# Altium PCB SPEC-A7.PcbDoc (part 6 of 10) (continued)
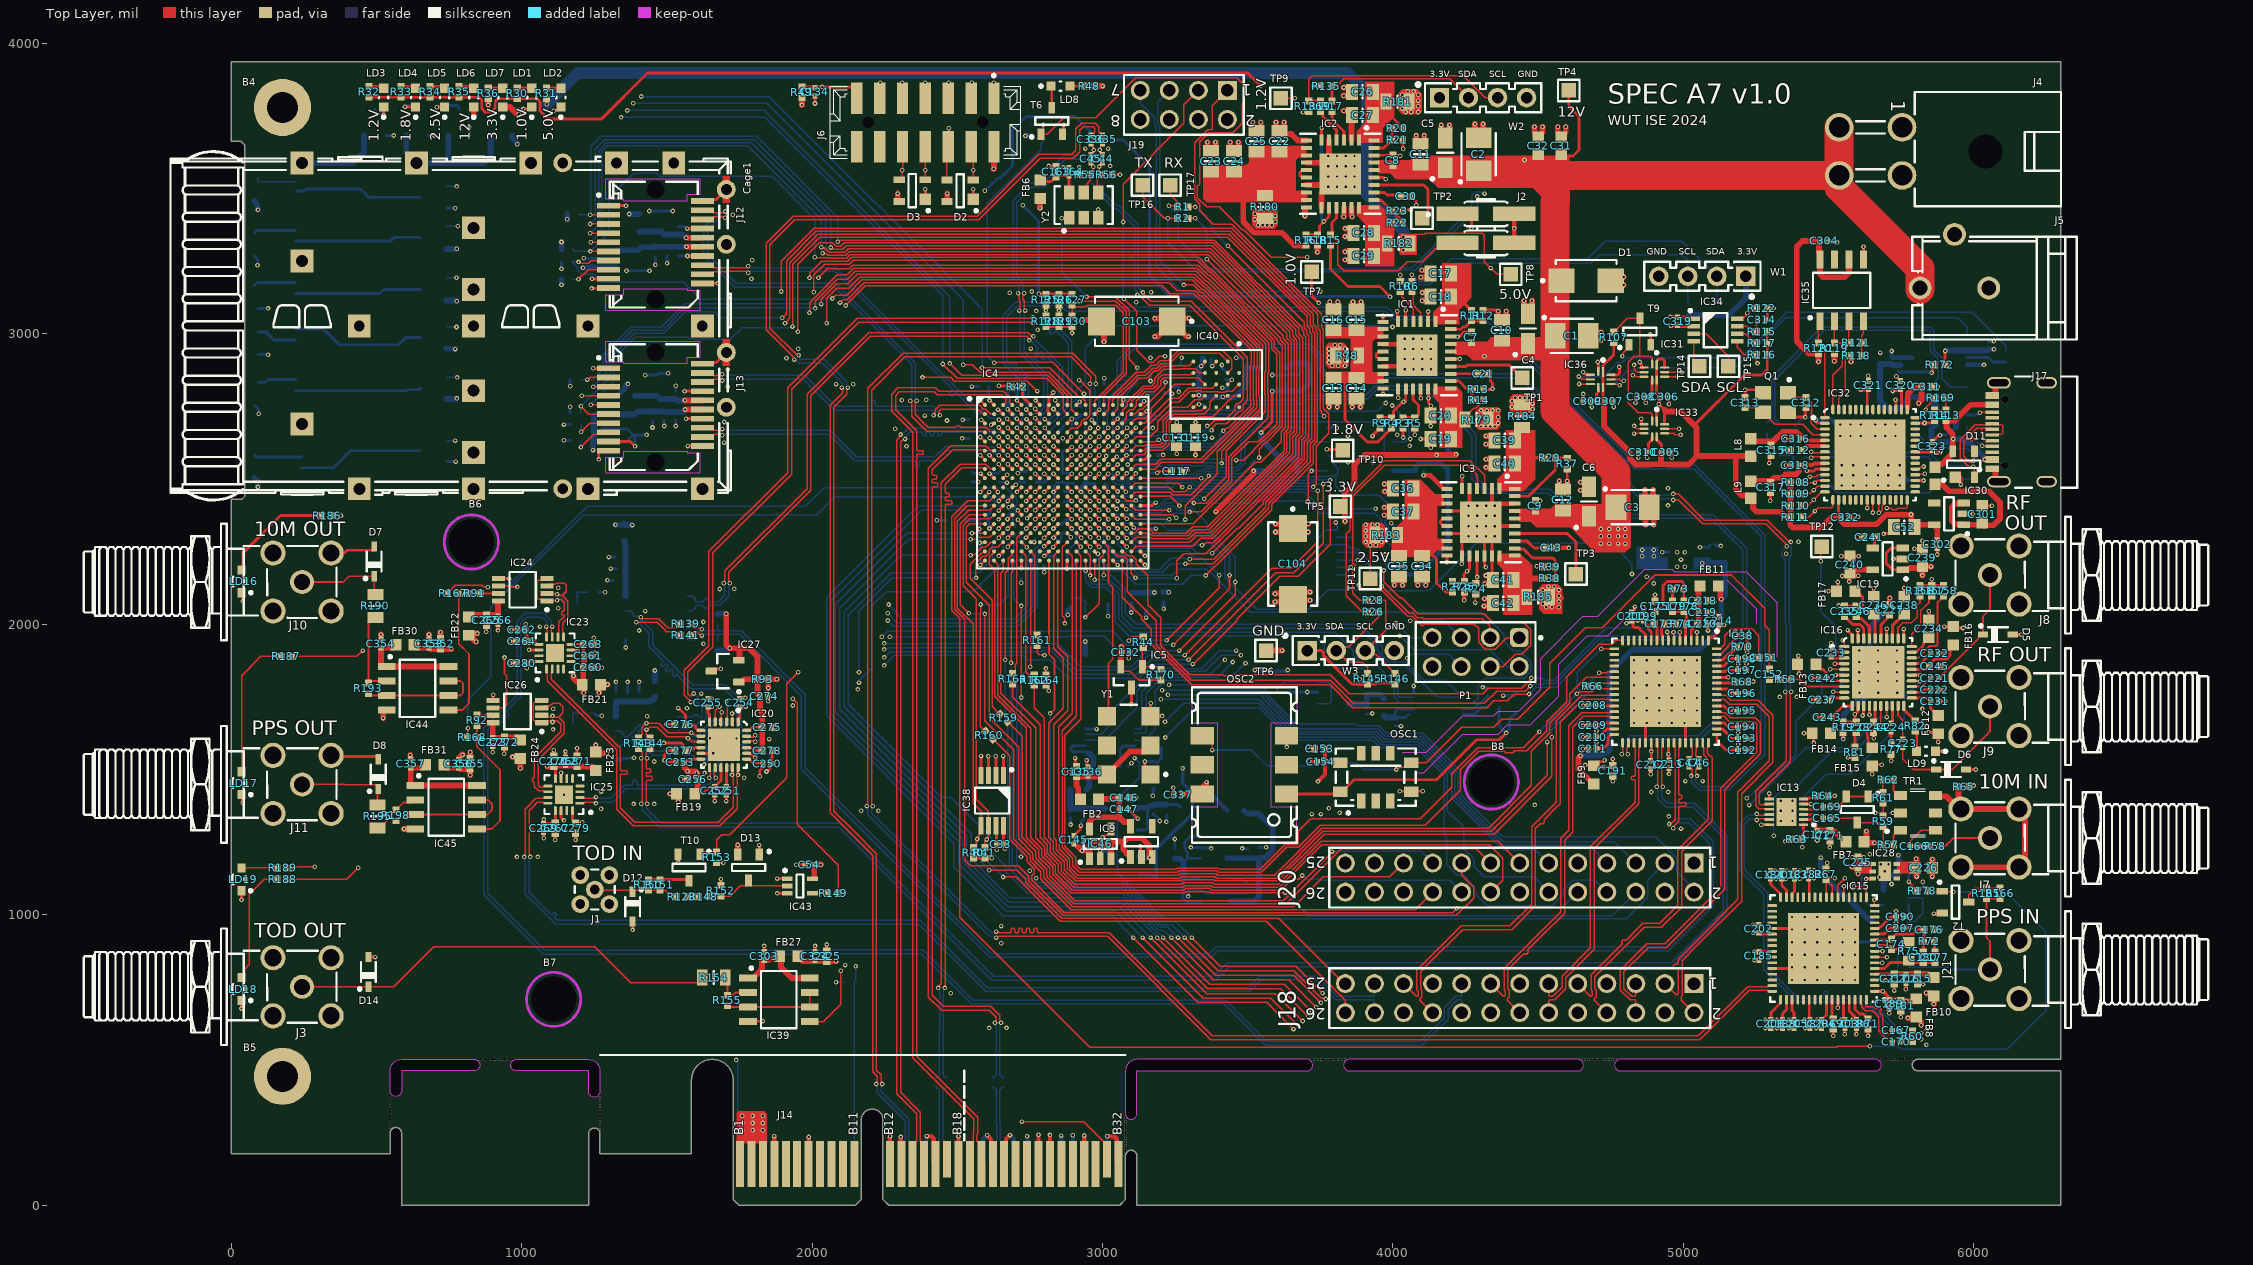
[diagram p0: Top Layer view]
## Nets (pads, with @x,y where several pads share a name; then routed paths per layer and width w, separated by ;. In a path a pad name is that pad's centre, name@x,y a point inside that pad or via, vN(x,y) a via of type N, cw(c..) or ccw(c..) an arc to the next point about the centre after c; other vN are vias at no path point) (continued)
  Bottom Layer w15: C56.2@2672.8,2812.98 2672.8,2740.18 v1(2705.28,2707.7)
  other v1: 2673.04,2740.03 3535.43,3374.02 3551.18,3374.02 3566.93,3374.02 3582.68,3374.02 3594.49,3385.83 3523.62,3393.7 3594.49,3405.51 3523.62,3413.39 3535.43,3429.13 3555.12,3429.13 3574.8,3429.13 3594.49,3429.13
MGTAVTT: C62.2 C63.2 C64.2 C65.2 C66.2 C67.2 IC4.A2 IC4.C1 IC4.E1 IC4.F3 IC4.G2 R42.2 R181.2 T3.1 TP9.1 | length 2489.3
  Top Layer w5: TP9.1@3614.17,3811.02 v1(3661.42,3811.02)
  Top Layer w10: v1(2579.29,2644.71) IC4.E1@2595.04,2628.96 ; v1(2582.37,2704.63) IC4.C1@2595.04,2691.95 ; v1(2610.79,2581.72) IC4.G2@2626.54,2565.97 ; v1(2610.79,2770.69) IC4.A2@2626.54,2754.95 ; v1(2642.79,2614.59) 2642.79,2613.65 2658.03,2598.41 IC4.F3@2658.03,2597.47 ; v1(2643,2821.27) 2644.1,2820.17 2680.86,2820.17 2682.21,2821.52 2682.21,2822 R42.2@2687.28,2816.94
  L4 w10: v1(559.72,3682.7) 577.6,3664.83 736.34,3664.83 744.49,3672.98 1909.7,3672.98 2474.7,3107.98 2525,3107.98
  Bottom Layer w10: T3.1@532.4,3682.7 v1(559.72,3682.7) ; C67.2@2607.72,2817.98 2608.36,2817.34 2608.36,2773.13 v1(2610.79,2770.69)
  other v1: 4043.31,3763.78 4062.99,3763.78 4086.61,3763.78 4031.5,3775.59 4086.61,3783.46 4031.5,3791.34 4086.61,3803.15 4031.5,3807.09 4031.5,3822.83 4086.61,3822.83 4051.18,3834.65 4070.87,3834.65
MGTREFCLK0_N: C45.2 C336.2 IC4.D5 | length 1295.8
  Top Layer w5: v1(2705.28,2676.21) IC4.D5@2721.02,2660.46 ; v1(2713.13,3080) 2713.13,3082.91 2717,3086.78 2717,3109.18 2713.13,3113.05 v1@2713.13,3133.22 ; C336.2@2960.63,3655.51 2966.99,3649.15 2966.99,3638.52 2969.63,3635.89 v1(2969.63,3632.98)
  Bottom Layer w5: v1(2705.28,2676.21) 2721.71,2692.64 2721.71,2713.33 2731.36,2722.98 2758.92,2722.98 2761.46,2725.52 2778.26,2725.52 2797.4,2744.65 2797.4,2852.6 2760,2890 2717,2933 2717,3070 2715.18,3071.82 ; v1@2713.13,3146.78 2713.13,3171.47 2692,3192.59 2692,3458.36 2699.62,3465.98 2743.79,3510.15 2751.4,3517.77 2794.79,3517.77 2832.35,3555.33 2832.35,3580.45 2866.57,3614.67 2970.57,3614.67 2970.57,3632.03 v1(2969.63,3632.98)
  other v1: 2709.25,3140
MGTREFCLK0_P: C44.2 C335.2 IC4.D6 | length 1288.6
  Top Layer w5: v1@2726.13,3133.22 2726.13,3118.44 2730,3114.56 2730,3086.78 2733.87,3082.91 v1(2733.87,3080) ; v1(2736.77,2676.21) IC4.D6@2752.52,2660.46 ; v1(2990.37,3632.98) 2990.37,3635.89 2993.64,3639.15 2993.64,3649.15 C335.2@3000,3655.51
  Bottom Layer w5: v1@2726.13,3146.78 2726.13,3176.85 2705,3197.98 2705,3452.98 2756.79,3504.77 2800.17,3504.77 2845.35,3549.94 2845.35,3575.07 2871.95,3601.67 2975.96,3601.67 2990.37,3616.09 v1(2990.37,3632.98) ; 2731.82,3071.82 2730,3070 2730,2938.38 2747.58,2920.81 ; v1(2736.77,2676.21) 2753.21,2692.64 2775.08,2692.64 2784.7,2702.27 2784.7,2713.36 2791.26,2719.92 2791.26,2720.13 2810.4,2739.27 2810.4,2857.99 2783.01,2885.37 ; 2749.35,2919.04 2758.89,2909.49 2763.04,2909.49 2767.05,2913.5 2770.69,2913.5 2776.15,2908.04 2776.15,2904.4 2772.14,2900.39 2772.14,2896.24 2781.24,2887.14
  other v1: 2730,3140
MGTREFCLK1_N: C47.2 IC4.B5 | length 4488.1
  Top Layer w5: v1(2705.91,2740.61) 2705.91,2739.59 2721.02,2724.48 IC4.B5@2721.02,2723.45 ; C47.2@5019.1,1509.27 5019.1,1508.28 5025.46,1501.92 5027.17,1501.92 5030.1,1498.99 v1@5030.1,1484.76
  Bottom Layer w5: v1(2705.91,2740.61) 2706.69,2740.61 2731.93,2765.85 2731.93,2824.8 2657,2899.73 2657,3064 2664.62,3071.62 2684.75,3091.75 2701.85,3108.85 2861.75,3108.85 2879.94,3090.67 3980.57,3090.67 4009.65,3061.59 4324.78,3061.59 4764.69,2621.67 4838.38,2547.98 5041.27,2547.98 5280.72,2308.53 5280.72,1552.33 5156.33,1427.94 5055.41,1427.94 5051.6,1431.75 5043.86,1439.5 5037.72,1445.63 5030.1,1453.25 5030.1,1471.2 5026.23,1475.07 v1(5026.23,1477.98)
MGTREFCLK1_P: C46.2 IC4.B6 | length 4484.3
  Top Layer w5: v1(2736.77,2739.41) 2736.77,2739.31 2752.52,2723.56 IC4.B6@2752.52,2723.45 ; v1@5043.1,1484.76 5043.1,1498.99 5046.03,1501.92 5047.74,1501.92 5054.1,1508.28 C46.2@5054.1,1509.27
  Bottom Layer w5: v1(2736.77,2739.41) 2736.77,2739.56 2744.93,2747.72 2744.93,2830.18 2743.79,2831.32 2742.02,2833.09 2732.92,2842.19 2732.92,2846.33 2741.81,2855.22 2741.81,2858.86 2736.34,2864.32 2732.7,2864.32 2723.57,2855.18 2719.93,2855.18 2714.46,2860.65 2714.46,2864.29 2723.6,2873.42 2723.6,2877.07 2718.14,2882.53 2714.5,2882.53 2705.36,2873.39 2701.72,2873.39 2696.26,2878.85 2696.26,2882.49 2705.39,2891.63 2705.39,2895.27 2699.93,2900.73 2696.29,2900.73 2687.4,2891.85 2683.26,2891.85 2680.84,2894.27 2679.07,2896.04 2670,2905.11 2670,3058.62 2697.75,3086.37 2706.76,3095.37 2715.37,3095.37 2715.85,3095.85 2856.37,3095.85 2874.55,3077.67 2955.38,3077.67 3975.18,3077.67 4004.26,3048.59 4319.39,3048.59 4730,2637.98 4751.69,2616.29 4833,2534.98 5035.89,2534.98 5267.72,2303.15 5267.72,1557.72 5150.94,1440.94 5060.79,1440.94 5043.1,1458.63 5043.1,1471.2 5046.98,1475.07 v1(5046.98,1477.98)
NetC13_2: C13.2 C14.2 C15.2 C16.2 IC1.8 IC1.9 IC1.14 IC1.15 R4.2 R78.1 | length 345.4
  Top Layer w10: 3834.65,2838.58 3834.65,2704.72 3911.57,2627.8 3947.53,2627.8 3994.21,2674.47 R4.2@3995,2674.47
NetC19_2: C19.2 C20.2 IC1.22 IC1.23 R14.2 R179.1 | length 92.3
  Top Layer w5: R179.1@4248.03,2704.72 4248.03,2713.58 4278.48,2744.03 4285.34,2744.03 4308.5,2767.19 R14.2@4308.5,2767.98
NetC21_2: C21.2 IC1.25 | length 93.6
  Top Layer w10: IC1.25@4198.95,2862.35 4199.27,2862.66 4291.97,2862.66 C21.2@4292.28,2862.98
NetC22_2: C22.2 C23.2 C24.2 C25.2 IC2.8 IC2.9 IC2.14 IC2.15 R16.2 R180.1 | length 328.3
  Top Layer w20: 3484.25,3464.57 3484.25,3385.71 3521.76,3348.2 3617.49,3348.2 3661.22,3304.47 R16.2@3700,3304.47
NetC26_2: C26.2 C27.2 IC2.1 IC2.32 R20.2 R181.1 | length 63.4
  Top Layer w10: 3996.06,3755.91 3996.06,3746.21 4027.56,3714.71 4027.56,3713.92 R20.2@4033.5,3707.98
NetC28_2: C28.2 C29.2 IC2.22 IC2.23 R22.2 R182.1
NetC30_2: C30.2 IC2.25 | length 98
  Top Layer w10: IC2.25@3935,3486.8 3971.18,3486.8 3980,3477.98 4022.28,3477.98 C30.2@4027.28,3472.98
NetC34_2: C34.2 C35.2 C36.2 C37.2 IC3.8 IC3.9 IC3.14 IC3.15 R27.2 R183.1 | length 175.8
  Top Layer w10: 4133.86,2240.16 4149.61,2224.41 4149.61,2141.73 4180.45,2110.89 4198.58,2110.89 R27.2@4205,2104.47
NetC38_2: C38.2 IC14.63 | length 105.4
  Top Layer w6: IC14.63@5114.53,1895.97 5126.34,1895.97 5154.25,1923.88 5154.25,1927.6 5181.43,1954.77 5185.09,1954.77 C38.2@5190.94,1960.63
NetC39_2: C39.2 C40.2 IC3.1 IC3.32 R29.2 R184.1 | length 46.5
  Top Layer w12: 4475,2572.98 R29.2@4521.5,2572.98
NetC41_2: C41.2 C42.2 IC3.22 IC3.23 R38.2 R185.1 | length 50
  Top Layer w20: 4472.44,2157.48 4476.38,2157.48 4476.88,2157.98 R38.2@4521.5,2157.98 R38.2@4521,2157.48
NetC43_2: C43.2 IC3.25 | length 104.6
  Top Layer w10: IC3.25@4418.95,2287.35 4460.63,2287.35 4485,2262.98 4513.5,2262.98
NetC134_2: C134.2 J6.13 R49.1 T9.1 | length 4019.1
  Top Layer w5: v1@2034.74,3850.06 v1(2035,3849.8) ; v1(4790,2922.98) 4792.06,2925.03 4792.06,2934.29 4812.6,2954.83 T9.1@4812.6,2962.7
  Top Layer w10: R49.1@1965,3849.99 v1@2034.74,3849.99 ; v1@2035,3849.99 2139.09,3849.99 2153.78,3835.3 J6.13@2153.78,3811.64
  L4 w5: v1(2035,3849.8) 2035,3727.98 2215.37,3547.6 2316.37,3547.6 2316.74,3547.98 2320,3547.98 2435,3662.98 2614.14,3662.98 2839.14,3887.98 3526.93,3887.98 3528.65,3889.7 3557.96,3889.7 3559.69,3887.98 4265,3887.98 4307.5,3845.48 4307.5,3795.48 4380,3722.98 4380,3442.98 4790,3032.98 v1(4790,2922.98)
NetC135_2: C135.2 C136.2 FB2.2 Y1.2 Y1.6 | length 383.1
  Top Layer w20: FB2.2@2925.47,1397.98 2916.61,1406.84 2916.61,1436.37 2910,1442.98 C135.2@2910,1475.26 2950,1475.26 3007.48,1475.26 Y1.6@3015.2,1482.98 3094.46,1562.24 3144.07,1562.24 Y1.2@3164.8,1582.98
NetC137_2: C137.2 FB3.2 IC7.1 IC7.2 | length 253
  Bottom Layer w10: IC7.1@2940.24,1562.03 2939.33,1561.13 2911.95,1561.13 2911.77,1560.95 2897.73,1560.95 2891.87,1566.8 2891.87,1575.09 2898.5,1581.72 IC7.2@2940.24,1581.72
  Bottom Layer w20: FB3.2@2944.41,1431.4 2953.27,1440.27 2953.27,1443.18 2953.66,1443.57 C137.2@2953.66,1486.4 2967.76,1500.5 2967.76,1540.97 2952.49,1556.24 IC7.1@2950.99,1556.24
NetC138_2: C138.2 IC7.9 | length 113.1
  Bottom Layer w10: C138.2@3061.1,1511.4 3061.1,1572.17 3069.74,1580.81 3108.62,1580.81 IC7.9@3109.53,1581.72
NetC139_2: C139.2 R51.2 Y1.1 | length 163.9
  Top Layer w10: v1(3145.67,1527.56) 3145.67,1502.11 Y1.1@3164.8,1482.98 Y1.1@3169.8,1477.98
  Bottom Layer w10: v1(3145.67,1527.56) 3179.16,1527.56 C139.2@3184.88,1521.84 3185.75,1521.84 3203.39,1539.47 R51.2@3203.39,1576.4
NetC140_2: C140.2 C141.2 FB25.1 IC8.1 IC8.3 | length 273.5
  Bottom Layer w10: IC8.3@3117.9,1291.37 3149.61,1291.37 3155.36,1297.13 3155.36,1368.02 ; C140.2@3220.47,1379.7 C140.2@3219.88,1379.12 3258.68,1379.12 FB25.1@3267.72,1370.08
  Bottom Layer w20: IC8.1@3114.88,1366.21 3116.69,1368.02 3155.36,1368.02 3162.53,1375.18 C141.2@3174.88,1375.18 3178.82,1379.12 C140.2@3219.88,1379.12
NetC144_2: C144.2 C145.2 FB26.1 IC9.1 IC9.3 IC46.1 IC46.3 | length 561.8
  Top Layer w20: C145.2@2901.57,1244.09 2905.51,1244.09 v3(2929.13,1220.47) 2950.84,1220.47 2954.72,1216.58 2954.72,1240.25 2966.44,1251.97 2982.4,1251.97 2990.53,1243.84 3009.47,1243.84 3017.6,1251.97 3027.56,1251.97 ; IC46.3@3029.53,1192.91 3029.53,1250 3027.56,1251.97 ; IC9.1@3096.46,1198.82 3096.46,1206.17 3094.65,1207.98 3084.65,1207.98 3084.65,1211.61 3071.61,1224.65 3071.61,1249.63 ; v1(3161.41,1196.85) 3161.41,1237.08 3135.46,1263.03 3085.01,1263.03 3071.61,1249.63 ; 3027.56,1251.97 3069.27,1251.97 3071.61,1249.63
  Bottom Layer w20: v3(2929.13,1220.47) 2932.83,1224.17 2932.83,1249.76 C144.2@2935.04,1251.97 ; FB26.1@3125.98,1200.79 3129.92,1196.85 v1(3161.41,1196.85)
NetC148_2: C148.2 FB4.2 IC10.1 IC10.2 | length 181
  Bottom Layer w10: IC10.1@4053.15,1688.98 4043.31,1679.13 C148.2@4007.87,1679.13 4007.87,1700.79 4015.75,1708.66 IC10.2@4072.83,1708.66
  Bottom Layer w20: FB4.2@3968.5,1685.04 3974.41,1679.13 C148.2@4007.87,1679.13
NetC149_2: C149.2 IC10.9 | length 104.1
  Bottom Layer w10: IC10.9@4242.13,1708.66 4243.03,1709.57 4277.41,1709.57 4295.72,1727.87 4301.64,1727.87 4326.85,1753.09 C149.2@4326.85,1754.07
NetC150_2: C150.2 OSC1.10 OSC2.1 R52.2 | length 1025.6
  Top Layer w10: OSC2.1@3633.27,1415.75 3810.63,1415.75 OSC1.10@3818.5,1423.62 3825.2,1423.62 3866.14,1464.57 4149.61,1464.57 4287.4,1602.36 4366.14,1602.36 v1(4389.76,1625.98)
  Bottom Layer w10: R52.2@4365.35,1712.85 4365.35,1650.39 v1(4389.76,1625.98) 4389.76,1627.54 4401.65,1639.43 4401.65,1675.28 4419.29,1692.91 C150.2@4425.2,1692.91
NetC151_1: C151.1 C152.1 OSC1.5 OSC2.4 | length 2595.1
  Top Layer w6: OSC2.4@3343.11,1615.75 3351.03,1615.75 3377.95,1588.83 v3(3377.95,1566.93) ; v3(4011.81,1500) 4014.45,1500 4022.57,1508.12 4047.49,1508.12 OSC1.5@4062.99,1523.62 4114.17,1523.62 4236.22,1645.67 4346.46,1645.67 4374.02,1673.23 4429.13,1673.23 4539.37,1783.46 4539.37,1866.14 4661.42,1988.19 4720.47,1988.19 4901.57,2169.29 5165.35,2169.29 5279.53,2055.12 5279.53,1996.06 5295.07,1980.53 C151.1@5295.07,1884.99 5295.58,1884.47 C152.1@5295.58,1845.99
  Bottom Layer w6: v3(3377.95,1566.93) 3511.81,1566.93 3566.15,1512.59 3718.24,1512.59 3729.27,1523.62 3874.02,1523.62 3897.64,1500 v3(4011.81,1500)
NetC152_2: C152.2 R53.1 | length 38.6
  Top Layer w6: C152.2@5295.58,1810.56 5295.8,1810.34 R53.1@5334.07,1810.34
NetC153_2: C153.2 C154.2 C337.2 FB5.2 OSC1.9 OSC2.6 | length 855
  Top Layer w15: C337.2@3273.62,1413.39 3274.98,1414.74 3316.32,1414.74 v3(3358.27,1456.69) 3358.27,1430.91 OSC2.6@3343.11,1415.75 ; v3(3741.9,1458.89) 3766.1,1483.08 3766.1,1527.56 3765.75,1527.91 C153.2@3765.75,1570.87 ; C154.2@3765.75,1527.56 3767.11,1526.2 3815.92,1526.2 OSC1.9@3818.5,1523.62
  L3 w15: v3(3358.27,1456.69) 3529.41,1456.69 3549.09,1437.01 3720.02,1437.01 v3(3741.9,1458.89)
  Bottom Layer w15: v3(3358.27,1456.69) 3358.41,1456.55 3358.41,1429.97 3429.13,1359.25 FB5.2@3429.13,1358.27
NetC155_2: C155.2 C156.2 FB28.1 IC11.1 IC11.3 | length 314.3
  Bottom Layer w6: FB28.1@3598.43,1775.59 3599.41,1775.59 3615.11,1791.29 3615.11,1792.28 3627.95,1805.12 C155.2@3645.67,1805.12 3738.19,1805.12 IC11.3@3742.13,1801.18 3777.56,1801.18 3787.4,1791.34 3787.4,1732.28 3781.5,1726.38 IC11.1@3742.13,1726.38
NetC159_2: C159.2 C160.2 FB29.1 IC12.1 IC12.3 IC47.1 IC47.3 | length 501.4
  Bottom Layer w10: FB29.1@3248.03,1122.05 3279,1122.05 ; 3279.19,1180.77 3292.8,1194.37 ; C160.2@3291.34,1122.05 3279,1122.05 ; C160.2@3295.28,1122.05 IC47.3@3317.99,1122.05 ; IC47.3@3317.99,1126.89 3331.77,1126.89 IC47.3@3338.58,1120.08 ; IC12.1@3335.85,1194.37 3292.8,1194.37 ; IC12.3@3335.85,1269.17 3300.67,1269.17 3283.46,1251.97 3283.46,1224.41 3292.8,1215.08 3292.8,1194.37 ; IC47.1@3338.58,1045.28 3302.84,1045.28 3302.68,1045.12 3287.87,1045.12 3276.42,1056.57 3276.42,1119.46 3279,1122.05
  Bottom Layer w20: C159.2@3248.4,1194.52 3250.24,1192.68 3267.29,1192.68 3279,1180.96 3279,1122.05
NetC163_2: C163.2 C164.2 FB6.2 Y2.6 | length 166
  Top Layer w10: FB6.2@2785,3524.59 2824.33,3524.59 C163.2@2840,3540.26 2843.94,3544.2 C164.2@2885,3544.2 Y2.6@2885,3486.28
NetC165_1: C165.1 D4.3 R57.2 R59.2 | length 259.1
  Top Layer w6: C165.1@5508.78,1332.14 5588.63,1332.14 D4.3@5598.43,1316.93 ; D4.3@5598.48,1316.88 5609.55,1316.88 5673.53,1316.88 5678.35,1312.05 R59.2@5687.56,1303.64 5687.56,1241.5 R57.2@5686.22,1240.16 ; R57.2@5688.19,1242.13 R57.2@5690.16,1240.16
NetC165_2: C165.2 IC13.3 | length 73.4
  Top Layer w6: IC13.3@5413.39,1345.47 5414,1344.86 5467.52,1344.86 5480.24,1332.14 C165.2@5481.22,1332.14
NetC166_1: C166.1 R58.2 | length 38.6
  Top Layer w6: C166.1@5809.06,1236.22 R58.2@5847.64,1236.22
NetC166_2: C166.2 TR1.6 | length 118.5
  Top Layer w6: C166.2@5781.5,1236.22 5781.5,1253.94 5818.11,1290.55 TR1.6@5867.13,1290.55
NetC168_1: C168.1 TR1.2 | length 38.4
  Top Layer w6: v1(5720.47,1350.39) TR1.2@5747.05,1350.39
  Bottom Layer w6: C168.1@5708.66,1350.39 v1(5720.47,1350.39)
NetC169_1: C169.1 D4.1 D4.2 R61.1 R62.2 | length 226.7
  Top Layer w6: C169.1@5509.76,1372.14 C169.1@5508.78,1372.14 5533.56,1372.14 5561.02,1399.61 D4.2@5561.02,1407.48 ; 5575.16,1407.42 D4.1@5635.83,1407.42 ; D4.1@5635.83,1407.48 5659.61,1407.48 5662.6,1410.47 5664.36,1412.23 5667.24,1412.23 5678.35,1412.23 R61.1@5687.56,1420.64 5686.22,1421.98 R62.2@5686.22,1456.69
NetC169_2: C169.2 IC13.4 | length 72.1
  Top Layer w6: IC13.4@5413.39,1363.19 5414,1362.57 5470.67,1362.57 5480.24,1372.14 C169.2@5481.22,1372.14
NetC171_2: C171.2 C172.2 FB7.2 IC13.2 | length 189.1
  Top Layer w10: IC13.2@5413.39,1327.76 5439.96,1327.76 5456.77,1310.94 5456.77,1293.23 C172.2@5460.63,1289.37
  Top Layer w20: C172.2@5461.23,1289.97 C171.2@5503.34,1289.97 ; C171.2@5503.94,1287.17 5518.98,1287.17 5547.28,1258.86 5550.19,1258.86 5559.06,1250 FB7.2@5559.06,1247.09
NetC173_1: C173.1 C175.2 C178.1 IC14.10 R73.2 | length 353.2
  Top Layer w10: IC14.10@4908.82,1944.2 4908.82,1992.23 C173.1@4899.21,2001.84 4900.57,2003.19 4900.57,2042.76 C175.2@4901.93,2044.12 4909.13,2051.32 4918.35,2051.32 4930,2062.98 4930,2132.98 4945,2147.98 4994.58,2147.98 5000.43,2142.12 R73.2@5000.43,2121.84 5001.18,2121.09 5001.18,2080.3 C178.1@5001.93,2079.55
NetC173_2: C173.2 IC14.9 R74.2 | length 101.9
  Top Layer w10: IC14.9@4928.5,1944.2 4928.43,1944.28 4928.43,1961.62 4925,1965.04 4925,1992.19 C173.2@4934.65,2001.84 R74.2@4973.43,2001.84
NetC174_1: C174.1 C176.2 C180.2 IC15.10 R72.2 | length 262.4
  Top Layer w10: IC15.10@5658.46,913.39 5658.54,913.46 5712.56,913.46 C174.1@5715.63,916.54 5732.91,933.82 5792.46,933.82 5807.46,948.82 C176.2@5827.91,948.82 5827.52,948.43 5827.52,909.21 R72.2@5827.13,908.82 5826.38,908.07 5826.38,872.28 C180.2@5825.63,871.54
NetC174_2: C174.2 IC15.9 R75.2 | length 132.4
  Top Layer w10: IC15.9@5658.46,893.7 5703.03,893.7 C174.2@5715.63,881.1 5749.45,881.1 5773.66,905.32 R75.2@5775.63,905.32
NetC177_1: C177.1 C180.1 IC15.5 R75.1 | length 215.9
  Top Layer w10: IC15.5@5658.46,814.96 5691.77,814.96 5712.91,836.1 C180.1@5825.63,836.1 C177.1@5865.63,836.1
NetC177_2: C177.2 R72.1 | length 37.9
  Top Layer w10: R72.1@5864.13,908.82 5864.88,908.07 5864.88,872.28 C177.2@5865.63,871.54
NetC178_2: C178.2 C179.1 IC14.5 R74.1 | length 144.8
  Top Layer w10: C179.1@4961.93,2044.12 C178.2@5001.93,2044.12 5010.43,2035.62 R74.1@5010.43,2001.84 5007.32,1998.73 5007.32,1944.28 IC14.5@5007.24,1944.2
NetC179_2: C179.2 R73.1 | length 42.9
  Top Layer w10: C179.2@4961.93,2079.55 4962.68,2080.3 4962.68,2121.09 R73.1@4963.43,2121.84
NetC181_2: C181.2 C182.2 C183.2 C184.2 C185.2 C186.2 C187.2 C188.2 C189.2 C190.2 C201.2 C202.2 C203.2 C204.2 C205.2 C206.2 C207.2 FB8.2 IC15.1 IC15.11 IC15.12 IC15.27 IC15.30 IC15.31 IC15.32 IC15.38 IC15.41 IC15.49 IC15.50 IC15.51 IC15.54 IC15.57 IC15.60 IC15.61 | length 1526.7
  Top Layer w10: v1(5240.39,938.36) C202.2@5259.17,938.36 ; v1(5243.11,872.86) 5243.52,872.45 5259.44,872.45 C185.2@5259.84,872.05 ; v1@5244.41,873.82 5244.53,873.94 5306.02,873.94 IC15.41@5306.1,874.02 ; v1@5244.41,938.82 5263.85,938.82 5269.6,933.07 IC15.38@5306.1,933.07 ; v1(5281.85,637.6) C206.2@5300.63,637.6 5301.06,638.03 5301.06,662.44 5334.65,696.02 IC15.49@5334.65,707.68 ; v1(5319.71,1124.23) 5319.6,1124.12 5299.32,1124.12 5300.12,1123.33 5300.12,1106.22 5334.65,1071.69 IC15.32@5334.65,1060.04 ; v1(5321.85,637.6) C188.2@5340.63,637.6 5340.63,658.82 5354.33,672.52 IC15.50@5354.33,707.68 ; C201.2@5338.58,1124.02 5338.58,1100.87 5354.33,1085.12 IC15.31@5354.33,1060.04 ; C201.2@5342.44,1124.12 5352.25,1124.12 v1(5352.36,1124.23) ; v1(5361.85,637.6) C205.2@5380.63,637.6 5380.63,663.82 5374.02,670.43 IC15.51@5374.02,707.68 ; IC15.30@5374.02,1060.04 5374.02,1071.69 5378.78,1076.46 5378.78,1078.03 5381.89,1081.14 C183.2@5381.89,1124.02 ; C183.2@5385.75,1124.12 5400.56,1124.12 v1(5400.67,1124.23) ; v1(5416.85,637.6) C187.2@5435.63,637.6 5433.15,640.08 5433.15,707.6 IC15.54@5433.07,707.68 ; IC15.27@5433.07,1060.04 5432.99,1060.12 5432.99,1122.68 C182.2@5430.63,1125.04 v1(5449.41,1125.04) ; v1(5459.41,637.6) C204.2@5475.63,637.6 5475.63,638.58 5492.13,655.08 IC15.57@5492.13,707.68 ; v1@5541.61,637.6 v1(5541.77,637.6) C203.2@5555.63,637.6 ; C203.2@5551.18,643.03 IC15.60@5551.18,707.68 ; IC15.61@5570.87,707.68 5570.87,668.08 5591.77,647.17 5591.77,641.46 C186.2@5595.63,637.6 v1(5579.41,637.6) ; IC15.11@5658.46,933.07 5689.88,933.07 5710.63,953.82 C207.2@5731.85,953.82 v1(5731.85,972.6) ; IC15.12@5658.46,952.76 5670.12,952.76 5674.88,957.52 5679.33,957.52 5713.78,991.97 5730,991.97 C190.2@5731.85,993.82 v1(5731.85,1012.6)
  Top Layer w12: IC15.1@5658.46,736.22 5658.67,736.43 5686.11,736.43 v1(5686.32,736.64) ; v1@5687.04,735.92 C189.2@5712.47,710.5
  Top Layer w20: C189.2@5708.66,706.69 5710.52,704.83 C181.2@5748.26,704.83 ; C181.2@5748.26,701.77 v1(5767.98,701.77) 5792.06,701.77 FB8.2@5801.21,710.91
  other v1: 5725.75,705.22
NetC191_2: C191.2 C192.2 C193.2 C194.2 C195.2 C196.2 C197.2 C198.2 C199.2 C200.2 C208.2 C209.2 C210.2 C211.2 C212.2 C213.2 C214.2 FB9.2 IC14.1 IC14.11 IC14.12 IC14.27 IC14.30 IC14.31 IC14.32 IC14.38 IC14.41 IC14.49 IC14.50 IC14.51 IC14.54 IC14.57 IC14.60 IC14.61 | length 1671.8
  Top Layer w10: v1(4661.42,1515.75) 4685.89,1515.75 4692.68,1508.96 4705.82,1508.96 4705.82,1526 4706.38,1526.56 4721.86,1526.56 4726.79,1531.5 v1(4728.35,1531.5) ; C208.2@4700.71,1721.84 4726.14,1721.84 4729.17,1718.8 IC14.27@4762.17,1718.8 ; C210.2@4705.55,1615.69 4712.72,1615.69 4737.01,1639.99 4762.09,1639.99 IC14.31@4762.17,1640.06 ; FB9.2@4705.82,1507.98 v1(4725,1507.98) ; C191.2@4756.69,1514.08 v1(4756.69,1536.28) ; IC14.32@4762.17,1620.38 4750.51,1620.38 4740,1609.87 4740,1587.98 4723.86,1571.84 C211.2@4700.71,1571.84 v1(4700.71,1593.69) C210.2@4700.71,1611.84 v1(4700.71,1633.69) C209.2@4700.71,1651.84 4704,1655.13 4717.33,1655.13 4721.94,1659.75 IC14.30@4762.17,1659.75 ; v1(4803.8,2003.28) 4805.36,2003.28 4810.29,2008.21 4818.07,2008.21 4821.93,2012.07 C200.2@4821.93,2013.06 ; IC14.12@4869.45,1944.2 4869.37,1944.28 4869.37,1964.63 4845.65,1988.35 4831.65,1988.35 4825.79,1994.21 4825.79,2009.2 C200.2@4821.93,2013.06 ; C212.2@4886.93,1530.62 4889.06,1532.74 v1(4889.06,1562.25) 4889.06,1591.76 IC14.38@4889.13,1591.84 ; IC14.11@4889.13,1944.2 4889.13,1973.77 4883.28,1979.63 4882.87,1979.63 4877.01,1985.49 4877.01,1996.99 4861.93,2012.07 C199.2@4861.93,2013.06 v1(4843.29,2013.06) 4825.79,2013.06 C200.2@4821.93,2013.06 ; IC14.41@4948.19,1591.84 4948.27,1591.76 v1(4948.27,1552.98) 4948.27,1533.49 C213.2@4950,1531.76 ; IC14.1@5085.98,1944.2 5085.98,1955.85 5086.06,1955.93 5102.95,1955.93 5121.93,1974.91 C214.2@5121.93,1998.06 v1(5139.92,1998.06) ; IC14.49@5114.53,1620.38 5114.53,1598.45 5146.14,1566.84 C192.2@5188.15,1566.84 v1(5188.15,1586.69) C193.2@5188.15,1606.84 ; IC14.50@5114.53,1640.06 5114.61,1639.99 5133.32,1639.99 5166.47,1606.84 C193.2@5188.15,1606.84 ; IC14.51@5114.53,1659.75 5141.05,1659.75 5153.97,1646.84 C194.2@5188.15,1646.84 v1(5188.15,1627.27) C193.2@5188.15,1606.84 ; IC14.54@5114.53,1718.8 5114.61,1718.73 5139.25,1718.73 5146.36,1711.62 5147.42,1711.62 5157.2,1701.84 v1(5172.68,1701.84) C195.2@5188.15,1701.84 ; IC14.57@5114.53,1777.86 5150.12,1777.86 v1@5166.14,1761.84 ; IC14.60@5114.53,1836.91 5143.94,1836.91 5148.86,1841.84 C197.2@5188.15,1841.84 v1(5188.15,1862.92) C198.2@5188.15,1881.84 5163.86,1881.84 5138.7,1856.68 5114.61,1856.68 IC14.61@5114.53,1856.6 ; v1@5168.61,1761.29 v1(5169.15,1761.84) C196.2@5188.15,1761.84
  other v1: 4718.44,1722.81
NetC215_2: C215.2 C216.2 C217.2 FB10.2 IC15.4 | length 210.2
  Top Layer w12: IC15.4@5659.09,795.91 C217.2@5725.63,795.91
  Top Layer w20: C217.2@5725.63,796.54 5765.63,796.54 C215.2@5805.63,796.54 5840.52,796.54 5844.38,792.68 5855.15,792.68 FB10.2@5864.01,783.82
NetC218_2: C218.2 C219.2 C220.2 FB11.2 IC14.4 | length 204.9
  Top Layer w10: IC14.4@5026.93,1944.2 5026.93,1979.55 C220.2@5049.21,2001.84
  Top Layer w20: C220.2@5049.21,2001.84 5051.42,2004.04 5051.42,2079.63 C218.2@5049.21,2081.84 5051.42,2084.04 5051.42,2122.97 5060.28,2131.84 FB11.2@5061.93,2131.84
NetC221_1: C221.1 IC16.23 | length 77.2
  Top Layer w6: IC16.23@5786.14,1785.79 5821.02,1785.79 5850.24,1815 C221.1@5851.22,1815
NetC221_2: C221.2 D5.1 J8.1 | length 432.7
  Top Layer w6: C221.2@5878.78,1815 5884.64,1820.86 5885.91,1820.86 6016.78,1951.73 6016.78,1957.72 6023.62,1964.57 D5.1@6031.5,1964.57 6031.5,2027.56 6055.12,2051.18 J8.1@6055.12,2169.29
NetC222_1: C222.1 IC16.22 | length 68.8
  Top Layer w10: IC16.22@5786.14,1766.1 5821.1,1766.1 5830,1775 C222.1@5851.22,1775
NetC222_2: C222.2 R76.1 | length 95.5
  Top Layer w10: C222.2@5878.78,1775 v1(5897.64,1775)
  Bottom Layer w10: R76.1@5822.83,1770.47 5827.36,1775 v1(5897.64,1775)
NetC223_1: C223.1 IC16.19 | length 121.7
  Top Layer w6: IC16.19@5738.9,1718.86 5738.9,1686.1 5755,1670 C223.1@5755,1603.78
NetC223_2: C223.2 D6.1 J9.1 | length 515.2
  Top Layer w6: C223.2@5755,1576.22 5755,1536.34 5791.34,1500 D6.1@5870.08,1500 5925.2,1500 6055.12,1629.92 J9.1@6055.12,1716.54 J9.1@6074.8,1716.54
NetC224_1: C224.1 IC16.18 | length 61.8
  Top Layer w10: C224.1@5715,1658.78 5715,1659.76 5719.21,1663.98 IC16.18@5719.21,1718.86
NetC224_2: C224.2 R77.1 | length 42.7
  Top Layer w10: R77.1@5715,1588.5 C224.2@5715,1631.22
NetC227_2: C227.2 IC16.35 R79.2 | length 637.1
  Top Layer w10: v1(5550,1605.27) R79.2@5550,1626.5 ; IC16.35@5679.84,1951.14 5679.84,1998.24 5702.8,2021.2 5702.8,2025.08 C227.2@5710,2032.28 5706.22,2036.06 5689.14,2036.06 v1(5688.04,2037.16)
  Bottom Layer w20: v1(5550,1605.27) 5550,1687.8 5594.49,1732.28 5610.24,1732.28 5641.73,1763.78 5641.73,1990.85 v1(5688.04,2037.16)
NetC228_1: C228.1 R81.2 | length 48.8
  Top Layer w10: R81.2@5590,1578.5 C228.1@5590,1627.28
NetC228_2: C228.2 IC16.12 R79.1 | length 106.1
  Top Layer w10: R79.1@5550,1663.5 5550.39,1663.11 C228.2@5590,1663.11 ; C228.2@5590,1662.72 C228.2@5590,1663.11 ; C228.2@5595,1662.72 5594.61,1663.11 C228.2@5590,1663.11 ; IC16.12@5601.1,1718.86 5600.76,1718.51 5600.76,1700.76 v1(5590,1690) C228.2@5590,1663.11
NetC231_2: C231.2 FB12.2 IC16.21 | length 134.4
  Top Layer w10: IC16.21@5786.14,1746.42 5838.82,1746.42 5850.24,1735 C231.2@5851.22,1735 5851.22,1709.62 5871.3,1689.53 5876.89,1683.94 FB12.2@5876.89,1681.03
NetC232_2: C232.2 IC16.27 | length 80.3
  Top Layer w10: IC16.27@5786.14,1864.53 5815.75,1864.53 5846.38,1895.16 5846.38,1896.14 5850.24,1900 C232.2@5851.22,1900
NetC233_2: C233.2 IC16.3 | length 41.4
  Top Layer w10: C233.2@5512.59,1884.56 5553.51,1884.56 IC16.3@5553.86,1884.21
NetC234_2: C234.2 IC16.29 | length 71.1
  Top Layer w10: IC16.29@5798.44,1903.9 5817.59,1917.31 5821.14,1920.86 5830.31,1940.79 C234.2@5845,1955.47
NetC235_2: C235.2 IC16.38 | length 118
  Top Layer w10: C235.2@5555,2027.28 5583.61,1998.67 5591.89,1998.67 5592.16,1998.94 5607.84,1998.94 5618.94,1987.84 5618.94,1986.06 5620.79,1984.21 IC16.38@5620.79,1951.14
NetC236_2: C236.2 IC16.36 | length 86.5
  Top Layer w10: C236.2@5655,2035.47 5660.16,2030.31 IC16.36@5660.16,1951.14
NetC237_2: C237.2 IC16.10 | length 58.8
  Top Layer w10: C237.2@5497.72,1740 5503.79,1746.07 5553.51,1746.07 IC16.10@5553.86,1746.42
NetC238_2: C238.2 IC16.33 | length 101.2
  Top Layer w10: IC16.33@5719.21,1951.14 5719.21,1994.68 C238.2@5760,2035.47
NetC241_2: C241.2 IC19.4 | length 39.9
  Top Layer w10: IC19.4@5652.1,2262.4 5657.72,2268.02 C241.2@5657.72,2300
NetC242_2: C242.2 FB13.2 IC16.7 | length 129.8
  Top Layer w10: FB13.2@5455.46,1863.84 5474.29,1845 5480,1845 5490.51,1834.49 5490.51,1822.2 5497.72,1815 5507.24,1805.47 IC16.7@5553.86,1805.47
NetC243_2: C243.2 FB14.2 IC16.11 | length 141.6
  Top Layer w10: FB14.2@5517.72,1622.74 5517.72,1687.72 5548.86,1718.86 IC16.11@5581.42,1718.86
NetC244_2: C244.2 FB15.2 IC16.15 | length 171.1
  Top Layer w10: FB15.2@5650,1571.62 5636.14,1585.48 5636.14,1607.59 5632.8,1610.94 5632.8,1649.65 5638.65,1655.51 5647.8,1655.51 5659.81,1667.53 5659.81,1718.51 IC16.15@5660.16,1718.86